# KiCad board jorian.kicad_pcb (continued)
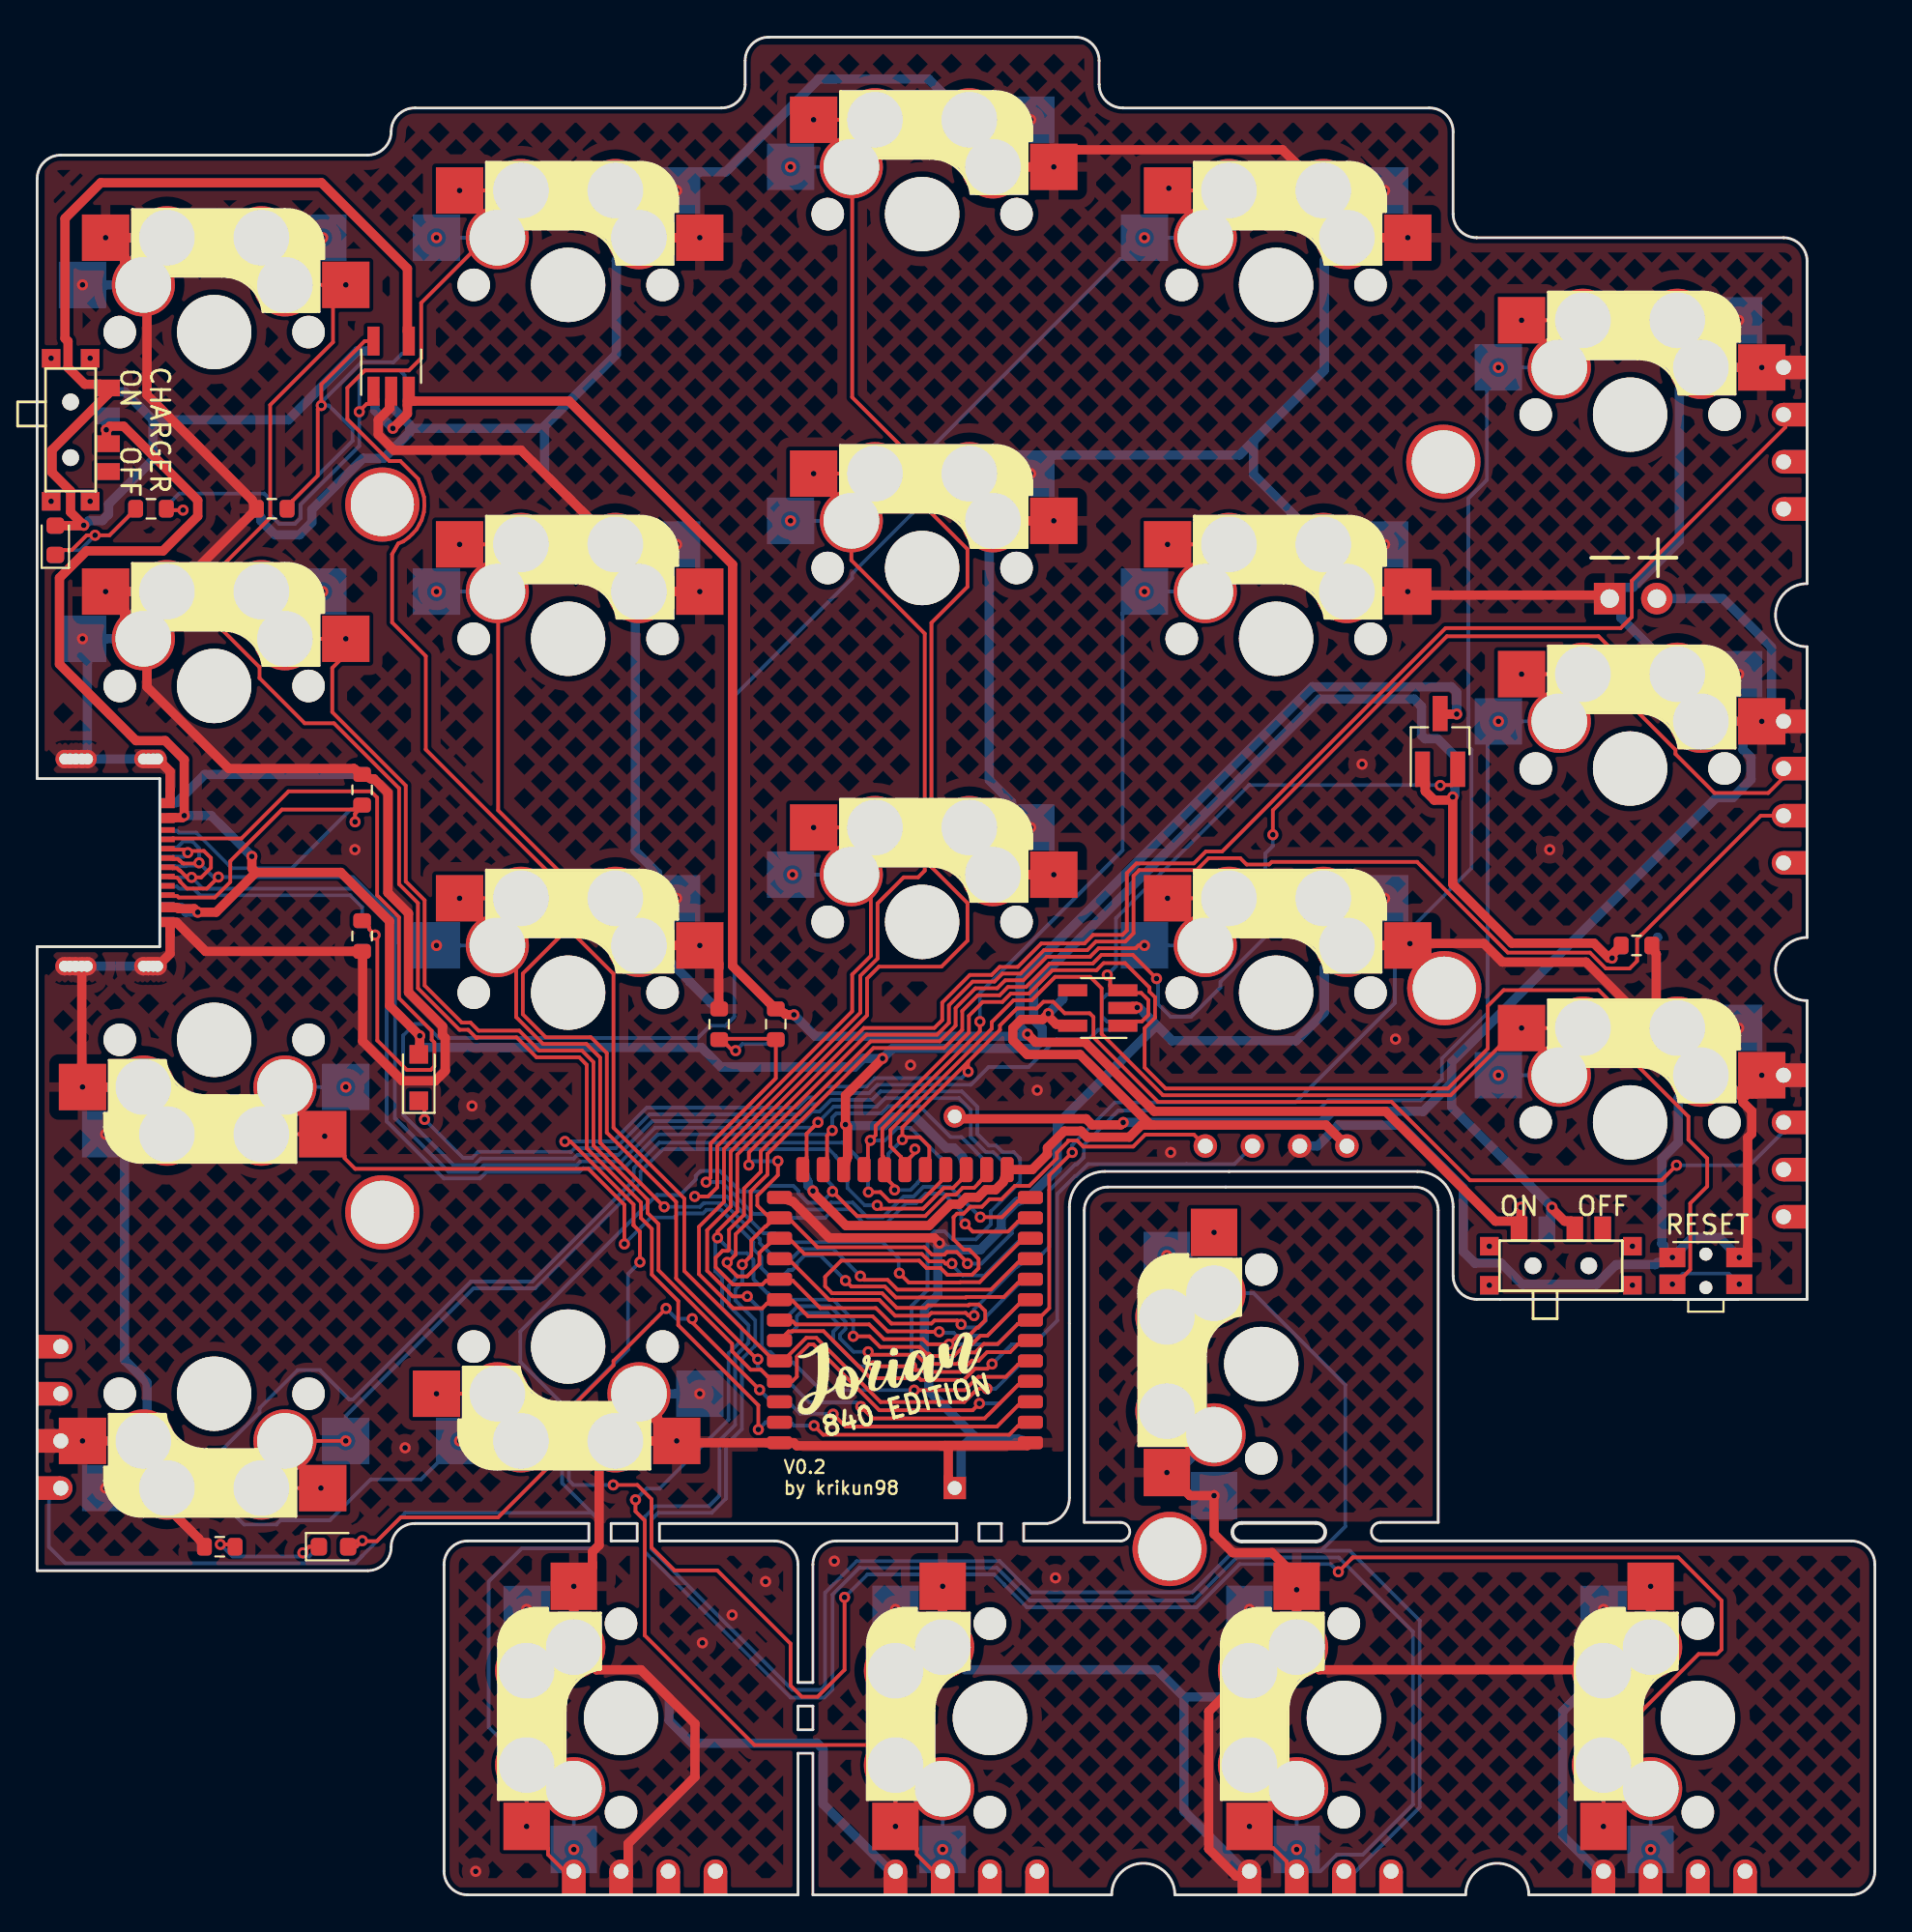
[diagram p0: board, top side]
## Routing (per net, layer and track width the routed paths; a pad name or vN(x,y) marks a point on that pad's centre or on a via; arc(x,y) is an arc through that point) (continued)
  vias: v1(17.1,56.27) v1(19.8,24.07) v1(23.4,42.47) v1(23.6,1.27) v1(35.8,13.57) v1(37.4,15.07) v1(39.2,16.87) v1(42.9,17.97) v1(47,44.67) v1(53.82,43.32) v1(54.8,17.07) v1(61,39.97) v1(71.3,60.87) v1(73.1,46.07) v1(81.4,56.27)
VBAT: length 79.1
  Top w0.5: v1(81.52,37.02) 81.52,36.94 82.2,36.27 82.55,36.27 SW23.2 ; v1(58.45,41.58) 58.31,41.45 56.78,41.45 56.45,41.78 49.51,41.78 BT1.1
  Bottom w0.5: J2.2 90.72,69.78 93.33,67.16 93.33,64.13 93.17,63.97 92.3,63.97 91.8,63.47 91.8,61.65 92.23,61.22 92.23,60.04 91.25,59.07 90.37,59.07 76.12,44.82 76.12,43.71 ; SW23.2 81.45,36.27 81.45,36.95 v1(81.52,37.02) 76.12,42.41 76.12,43.71 ; 76.12,43.71 74.59,42.18 69.71,42.18 69.11,41.58 v1(58.45,41.58)
VBAT2: length 135.8
  Top w0.5: v1(19.14,78.94) 19.93,79.73 19.93,80.41 U2.3 20.08,80.41 28.62,80.41 37.43,71.61 37.43,49.99 39.37,48.05 R5.1 40.22,47.45 40.3,47.37 v1(40.73,47.37) ; Q1.3 75.65,63.56 v1(76.39,63.56) ; v1(79.85,37.02) 79.85,36.27 SW23.1 79.55,36.27 78.48,36.27 72.57,42.18 60.11,42.18 56.39,45.9 53.73,45.9 v1(53.29,46.33)
  Bottom w0.5: v1(79.85,37.02) 79.85,36.27 SW23.1 ; R5.1 40.22,47.45 40.3,47.37 v1(40.73,47.37) 41.88,46.22 53.18,46.22 v1(53.29,46.33) 52.89,46.74 52.89,49.29 68.63,65.03 76.1,65.03 76.39,64.74 v1(76.39,63.56) 75.65,63.56 Q1.3 ; v1(19.14,78.94) 18.18,79.91 18.18,80.41 U2.3
VBUS: length 172.5
  Top w0.5: 11.77,55.04 16.34,55.04 18.96,52.41 18.96,47.87 v1(20.59,46.24) 20.59,45.49 D2.2 ; 11.77,55.04 9.63,52.9 v1(8.64,52.9) 8.45,53.09 7.64,53.09 7.6,53.12 7.53,53.12 7.5,53.15 7.15,53.15 J1.A4 ; 11.77,55.04 11.55,55.26 v1(11.55,55.9) ; U1.22 43.61,39.71 43.61,41.36 v1(43.5,41.47) 43.5,43.03 v1(45.5,45.03) ; Q1.1 74.7,59.89 74.7,59.41 75.18,58.93 76.01,58.93 v1(76.18,59.1) 76.18,54.41 79.35,51.23 83.77,51.23 84.58,50.42 v1(84.76,50.42) 84.76,50.62 R7.1 ; J1.A4 7.15,57.99 7.81,57.99 v1(7.92,58.09) 7.92,61.11 6.89,62.13 5.32,62.13 1.2,66.25 1.2,70.89 2.66,72.35 6.77,72.35 8.64,74.21 8.64,75.07 4.65,79.06 3.91,79.06 v1(3.72,78.86) 3.72,78.32 SW24.2
  Bottom w0.5: v1(20.59,46.24) 20.59,45.49 D2.2 20.91,45.62 35.75,45.62 36.8,44.57 44,44.57 44.46,45.03 v1(45.5,45.03) 46.03,45.56 53.63,45.56 54.08,46.01 54.08,46.66 53.63,47.11 53.63,48.98 69.02,64.37 74.09,64.37 74.5,63.97 74.5,62.42 74.69,62.23 75.36,62.23 76.3,61.29 76.45,60.59 76.3,59.89 76.3,59.22 v1(76.18,59.1) ; v1(43.5,41.47) 43.56,41.4 45.59,41.4 46.06,41.87 47.25,41.87 48.91,40.21 49.33,40.21 49.79,39.75 49.79,39.71 50,39.04 ; J1.A4 7.15,58 7.82,58 v1(7.92,58.09) 9.36,58.09 v1(11.55,55.9) ; R7.1 84.76,50.62 v1(84.76,50.42) ; SW24.2 3.72,79.42 v1(3.72,78.86) ; v1(8.64,52.9) 8.01,52.9 7.75,53.16 7.15,53.16 J1.A4
VBUS_C: length 72.7
  Top w0.5: U2.4 19.93,84.17 19.93,87.54 15.3,92.17 3.42,92.17 1.5,90.24 1.5,83.78 1.66,83.62 1.66,82.21 2.56,81.32 3.4,81.32 SW24.1 3.8,80.78 0.8,77.78 0.8,76.56 1.8,75.57 1.8,74.43 v1(2.51,73.72) 2.49,73.71 D1.2
  Bottom w0.5: 6.23,79.4 6.23,77.25 3.84,74.86 3.84,74.31 3.5,73.98 2.79,73.98 2.51,73.7 D1.2 ; 6.23,79.4 13.52,79.4 17.23,83.11 18.02,83.11 U2.4 ; 6.23,79.4 4.72,80.92 4.2,80.92 SW24.1
(no net):
  vias: v1(0.75,82.72) v1(0.75,75.02) v1(2.85,82.72) v1(2.85,75.02) v1(78.15,34.92) v1(78.15,32.82) v1(85.85,34.92) v1(85.85,32.82)
BATTERY_PIN: length 37.6
  Top w0.2: v1(36,38.37) 36.24,38.61 36.24,40.45 39.75,43.96 R5.2 39.37,46.08 37.08,46.08 R6.1 37.14,45.73 37.43,45.44 v1(37.59,45.44) ; 53.45,36.44 52.78,36.23 52.77,36.23 52.24,35.7 50.35,35.7 v1(49.94,36.12)
  Bottom w0.2: v1(36,38.37) 36.84,38.37 38.55,36.65 39.28,36.65 39.95,36.44 42.39,36.44 42.86,36.91 43.73,36.91 44.52,36.12 45.66,36.12 46.77,37.23 47.31,37.23 47.83,37.75 48.78,37.75 49.73,36.79 49.73,36.32 v1(49.94,36.12) ; R5.2 39.28,45.8 37.95,45.8 v1(37.59,45.44) 37.43,45.44 37.14,45.73 R6.1
BLUE_LED: length 48.3
  Top w0.2: v1(17.5,19.07) 17.18,18.74 D3.2 17.17,19.04 18.28,19.04 19.56,20.32 24.81,20.32 28.08,23.59 28.08,25.56 31.02,28.5 31.02,28.73 v1(33.85,31.57) ; v1(35.25,31.02) 35.25,30.81 v1(38.88,27.19) ; v1(42.83,25.88) 43.5,25.21 51.65,25.21 52.77,26.33 52.78,26.33 U1.3
  Bottom w0.2: v1(33.85,31.57) 34.39,31.02 v1(35.25,31.02) ; D3.2 17.18,18.74 v1(17.5,19.07) ; v1(38.88,27.19) 39.53,26.54 U1.3 40.62,26.33 40.63,26.33 41.06,25.9 42.81,25.9 v1(42.83,25.88)
CC1: length 51.6
  Top w0.2: R2.1 17.87,52.07 17.87,51.98 v1(18.19,51.67) 18.3,51.55 18.3,45.99 19.9,44.4 21.18,44.4 21.38,44.6 21.38,45.88 21.23,46.03 21.23,46.51 19.47,48.26 19.47,52.62 18.3,53.8 18.3,59.07 17.96,59.4 13.53,59.4 10.99,56.87 7.3,56.87 J1.A5
  Bottom w0.2: v1(18.19,51.67) 17.87,51.98 17.87,52.07 R2.1 17.49,53.17 16.85,53.81 8.77,53.81 8.41,54.17 7.64,54.17 7.53,54.28 7.3,54.28 J1.A5
CC2: length 28
  Top w0.2: J1.B5 7.3,53.77 7.54,53.77 7.61,53.69 9.56,53.69 10.39,54.52 10.39,55.65 13.17,58.42 17.02,58.42 17.49,58.66 17.17,58.27 17.11,58.2 v1(17.11,57.76)
  Bottom w0.2: J1.B5 7.3,57.28 7.52,57.28 7.62,57.18 8.55,57.18 10.47,55.26 13.7,55.26 16.87,58.42 17.02,58.42 17.49,58.66 17.17,58.27 17.11,58.2 v1(17.11,57.76)
DATA+: length 73.4
  Top w0.2: v1(42.02,41.58) 41.41,40.97 41.41,39.71 U1.24 ; J1.A6 7.3,55.77 7.56,55.77 7.66,55.67 7.69,55.67 7.82,55.54 7.84,55.54 7.86,55.52 8.67,55.52 v1(8.71,55.55) ; v1(9.75,54.79) 9.13,54.17 8.06,54.17 7.69,54.54 7.69,54.59 7.52,54.76 7.41,54.76 7.4,54.77 7.3,54.77 J1.B6
  Bottom w0.2: J1.B6 7.3,56.38 7.53,56.38 7.86,56.7 8.36,56.7 8.71,56.35 v1(8.71,55.55) ; v1(8.71,55.55) 8.57,55.41 8.05,55.41 8.01,55.38 7.3,55.38 J1.A6 ; v1(8.71,55.55) 9.48,54.79 v1(9.75,54.79) 17,54.79 19.27,52.52 19.27,51.22 19.26,51.21 19.26,41.81 22.14,38.92 23.68,38.92 24.03,39.28 29.03,39.28 29.23,39.48 31.44,39.48 33.26,41.3 41.73,41.3 v1(42.02,41.58) 42.87,42.43 45.18,42.43 45.63,42.89 49.61,42.89 50.24,42.26 50.24,40.8 51.07,39.97 51.45,39.97 52.2,39.23 U1.24
DATA-: length 70.1
  Top w0.2: 42.3,39.04 42.51,39.71 42.51,40.87 v1(42.79,41.14) ; J1.A7 7.3,55.27 7.52,55.27 7.64,55.15 7.68,55.15 8.06,54.77 v1(8.31,54.77) 8.83,54.77 9.35,55.29 9.35,55.82 8.98,56.19 8.2,56.19 v1(8.11,56.1) 7.94,56.27 7.3,56.27 J1.B7
  Bottom w0.2: U1.23 50.83,39.68 50.52,40 50.52,40.02 49.74,40.8 49.16,40.8 47.5,42.46 45.81,42.46 45.43,42.07 43.02,42.07 42.79,41.84 v1(42.79,41.14) 42.58,40.94 33.4,40.94 31.59,39.12 29.38,39.12 29.18,38.92 24.18,38.92 23.83,38.57 21.87,38.57 18.82,41.62 18.82,51.39 18.83,51.4 18.83,52.34 17,54.17 8.92,54.17 v1(8.31,54.77) 8.31,54.78 7.3,54.78 J1.B7 ; J1.A7 7.3,55.88 7.88,55.88 v1(8.11,56.1)
nRF_VDD: length 50.3
  Top w0.5: 60.08,41.44 59.42,41.44 58.77,40.79 56.5,40.79 56.18,41.11 55.27,41.11 54.37,40.21 54.37,39.86 53.55,39.04 U1.14 51.99,38.37 51.58,37.96 51.04,37.96 50.63,37.55 50.02,37.55 49.64,37.18 49.15,37.18 48,36.03 43.52,36.03 41.75,37.8 v1(41.75,37.89) ; 60.08,41.44 59.92,41.44 56.12,45.24 53.27,45.24 52.5,46 52.5,46.66 52.97,47.12 54.1,47.12 v1(54.42,47.44) 54.42,47.29 54.84,46.87 55.2,46.87 55.73,46.79 ; 60.08,41.44 69.36,41.44 JP16.1
  Bottom w0.5: U3.5 55.2,48.62 55.2,48.21 v1(54.42,47.44) ; v1(41.75,37.89) 41.75,37.91 41.48,38.18 41.48,38.39 41.47,38.4 U1.14
PROG: length 15.9
  Top w0.2: U1.13 52.78,37.33 52.77,37.33 51.92,36.48 v1(50.75,36.48)
  Bottom w0.2: v1(50.75,36.48) 49.13,38.11 47.68,38.11 47.16,37.59 46.62,37.59 45.51,36.48 44.67,36.48 43.88,37.27 42.71,37.27 42.34,36.89 41.06,36.89 40.62,37.33 U1.13
R1C1: length 160.9
  Top w0.2: v1(43.92,30.07) 44.79,30.07 45.37,29.49 47.49,29.49 47.86,29.13 48.01,29.13 48.13,29.01 49.33,29.01 49.96,29.64 50.3,29.64 50.76,30.1 51.13,30.1 52.81,31.77 U1.8 ; v1(46.19,3.68) SW19.1 45.11,8.07 38.6,8.07 32.7,13.97 32.7,20.15 32.2,20.65 v1(32.2,21.27) ; v1(46.19,3.68) 47.34,2.51 47.34,2.17 48.2,1.31 48.2,1.27 48.73,0.64 ; v1(46.19,3.68) 47.34,4.86 47.87,4.86 SW19.1 ; E5.2 94.08,79.15 94.08,79 85.82,70.74 85.82,68.79 85.22,68.19 75.8,68.19 63.77,56.17 62.89,56.17 62.25,55.52 59.16,55.52 58.64,55 58.64,51.91 58.4,51.67 56.82,51.67 56.36,51.21 54.03,51.21 52.77,49.95 51.8,49.95 51.37,49.52 50.19,49.52 48.7,48.03 48.7,47.09 48.28,46.67 44.49,46.67 37.68,39.85 37.68,36.78 36.61,35.72 v1(36.61,35.37)
  Bottom w0.2: SW19.1 v1(48.73,2.44) 48.76,2.05 48.76,1.17 48.73,0.64 ; v1(43.92,30.07) 43.92,30.95 42.82,32.04 U1.8 39.35,32.36 39.33,32.38 39.3,32.38 38.55,33.13 38.55,34.18 38.2,34.54 37.44,34.54 v1(36.61,35.37) 36.5,35.25 36.5,33.56 36.86,33.2 36.86,31.58 37.92,30.52 37.92,29.86 37.2,29.15 37.2,25.58 33.49,21.87 32.8,21.87 v1(32.2,21.27)
R1C2: length 94.7
  Top w0.2: SW5.1 81.06,83.08 81.06,83.61 v1(79.88,84.76) SW5.1 ; v1(55.7,39.96) 54.47,38.73 54.47,31.58 54.09,31.21 53.45,30.94 52.78,30.73 52.77,30.73 51.7,29.66 50.94,29.66 50.48,29.2 50.13,29.2 49.51,28.58 47.94,28.58 47.83,28.69 47.7,28.69 47.32,29.07 44.88,29.07 v1(44.72,29.23)
  Bottom w0.2: SW5.1 v1(78.64,82.22) 78.02,81.07 78.02,76.17 77.02,75.18 77.02,63.83 77.03,63.82 77.03,63.3 77.02,63.29 77.02,61.81 77.19,61.65 77.19,55.27 74.05,52.14 73.77,52.14 73.07,51.44 73.07,48.02 67.71,42.66 58,42.66 55.7,40.36 v1(55.7,39.96) ; 39.95,30.94 40.18,30.94 40.92,31.68 42.68,31.68 43.5,30.86 43.5,30.47 43.2,30.17 43.2,29.97 43.93,29.23 v1(44.72,29.23)
R1C3: length 155.6
  Top w0.2: SW4.1 SW4.1 ; U1.6 52.78,29.63 52.77,29.63 52.36,29.22 51.12,29.22 50.67,28.76 50.3,28.76 49.69,28.15 47.74,28.15 47.65,28.25 47.27,28.25 v1(47.06,28.45) 45.02,28.45 v1(45,28.47) ; SW4.1 62.01,90.06 62.01,90.6 SW4.1 ; SW4.1 60.83,91.8 v1(60.9,91.87)
  Bottom w0.2: SW4.1 v1(59.59,89.21) 58.41,88.06 58.27,88.06 47.13,76.91 47.13,74.39 43.86,71.13 43.86,70.88 37.52,64.54 37.52,47.27 37.03,46.78 36.21,46.78 35.56,46.12 21.61,46.12 20.85,46.88 20.32,46.88 19.7,46.26 19.7,41.99 22.4,39.28 23.53,39.28 23.88,39.64 28.88,39.64 29.08,39.84 31.29,39.84 33.11,41.66 41.19,41.66 41.7,42.17 42.09,42.17 42.72,42.79 44.92,42.79 45.38,43.25 49.76,43.25 50.6,42.41 50.6,40.95 51.21,40.33 51.6,40.33 51.96,39.97 52.55,39.97 52.89,39.64 52.89,38.36 51.31,36.78 51.31,36.08 50.51,35.28 49.27,35.28 48.83,35.73 48.3,35.73 47.91,35.34 47.91,32.55 47.06,31.7 v1(47.06,28.45) ; U1.6 40.14,29.84 40.88,30.59 40.88,31.14 41.06,31.32 42.53,31.32 43.14,30.71 43.14,30.61 42.84,30.31 42.84,29.82 44.2,28.45 44.98,28.45 v1(45,28.47)
R1C4: length 103.1
  Top w0.2: SW3.1 v1(41.78,95.56) 42.96,94.41 42.96,93.87 SW3.1 43.86,92.97 43.86,80.62 47.13,77.35 47.13,75.38 50.07,72.44 50.07,70.41 48.12,68.47 48.12,55.33 50.07,53.39 50.07,51.36 48.67,49.97 45.3,49.97 44.66,49.32 44.66,47.34 37.32,40 37.32,37.04 36.06,35.78 36.06,33.6 37.44,32.22 v1(38.22,32.22) ; 53.45,28.74 52.78,28.53 52.77,28.53 52.13,27.88 50.64,27.88 49.92,27.17 v1(47.2,27.17)
  Bottom w0.2: v1(40.54,93.02) SW3.1 ; v1(38.22,32.22) 39,31.43 39,29.5 39.27,29.23 39.46,29.23 39.95,28.74 40.53,28.67 40.67,28.67 42.16,27.17 v1(47.2,27.17)
R1C5: length 106.2
  Top w0.2: v1(44.33,26.29) 44.97,25.65 50.99,25.65 52.77,27.43 52.78,27.43 U1.4 ; v1(38.78,28.83) 38.73,28.83 34.39,33.18 34.39,37.3 30.66,41.03 30.66,45.31 29.8,46.17 27.37,46.17 26.13,47.4 26.13,49.59 28.08,51.53 28.08,54.49 20.92,61.65 20.92,66.68 19.1,68.5 19.1,72.17 19.43,72.75 19.7,72.86 19.99,73.07 20.18,73.25 20.42,73.51 20.58,73.8 20.69,74.01 20.81,74.43 20.84,74.79 20.82,75.25 20.69,75.65 20.51,76.21 19.54,77.18 18.95,77.18 16.69,79.44 16.69,81.12 17.63,82.06 20.01,82.06 20.67,82.72 20.67,85.69 24.18,89.21 SW2.1 23.91,90.06 23.91,90.6 v1(22.73,91.75) SW2.1
  Bottom w0.2: v1(44.33,26.29) 44.1,26.52 41.54,26.52 40.63,27.43 40.62,27.43 U1.4 39.31,27.91 38.78,28.43 v1(38.78,28.83) ; SW2.1 v1(21.49,89.21)
R1C6: length 105.3
  Top w0.2: 53.45,25.44 52.78,25.23 52.77,25.23 52.31,24.77 42.3,24.77 v1(41.81,25.26) ; SW1.2 v1(16.61,86.67) 15.92,85.52 15.92,83.58 12.54,80.2 12.54,74.13 10.02,71.61 10.02,68.03 11.97,66.09 11.97,65.5 14.4,63.07 15.98,63.07 19.48,59.56 19.48,54.41 20.49,53.39 20.49,48.8 22.73,46.57 23.2,46.57 23.65,46.12 23.7,46.16 25.8,46.16 26.87,45.09 29.17,45.09 29.58,44.68 29.58,40.19 32.5,37.27 32.5,36.43 33.08,35.85 33.08,33.39 34.5,31.97 34.5,30.67 38.81,26.35 v1(38.81,25.05)
  Bottom w0.2: SW1.2 v1(15.37,89.21) 14.19,88.06 14.19,87.96 13.34,87.1 SW1.2 ; v1(41.81,25.26) 40.73,25.26 40.63,25.37 40.53,25.37 39.95,25.44 39.2,25.44 v1(38.81,25.05)
R2C0: length 214.5
  Top w0.2: E10.3 92.75,58.09 86.33,51.67 86.3,51.67 86.1,51.47 86.1,50.27 85.7,49.87 84.42,49.87 83.56,50.72 79.14,50.72 74.26,55.6 66.44,55.6 66.3,55.47 65.09,55.47 64.75,55.81 63.04,55.81 62.4,55.17 59.31,55.17 59,54.86 59,51.77 58.55,51.31 56.97,51.31 56.51,50.85 54.18,50.85 52.92,49.59 51.95,49.59 51.52,49.16 50.34,49.16 49.06,47.88 49.06,46.94 48.43,46.31 44.64,46.31 38.3,39.97 v1(38.3,39.28) ; v1(37.94,33.93) 38.43,34.42 38.43,35.22 39.18,35.98 39.21,35.98 39.35,36.12 39.95,36.44 ; v1(39.86,39.5) 39.86,38.74 38.76,37.64 38.76,37.11 39.43,36.44 39.95,36.44 ; v1(50.06,33.98) 50.06,34.03 49.48,34.61 48.97,34.61 48.82,34.46 48.16,34.46 47.76,34.86 42,34.86 40.63,36.23 40.62,36.23 39.95,36.44
  Bottom w0.2: 53.45,36.44 52.81,36.17 52.45,35.82 52.45,35.61 50.82,33.98 v1(50.06,33.98) ; E20.3 74.4,4.72 74.4,14.77 70.64,18.52 68.89,18.52 ; v1(38.3,39.28) 38.51,39.5 v1(39.86,39.5) ; 68.89,18.52 64.41,18.52 62.17,16.28 53.48,16.28 51.8,17.97 44.1,17.97 42.4,16.27 42.4,11.27 42.17,11.03 40.64,11.03 33.06,18.61 33.06,20.2 33.42,20.57 36.3,20.57 37.07,21.34 37.07,24.22 37.92,25.07 37.92,28.85 38.64,29.57 38.64,30.92 37.58,31.99 37.58,32.59 37.94,32.96 v1(37.94,33.93) ; 68.89,18.52 69.09,18.52 70.4,19.83 70.4,27.44 65.46,32.39 SW22.2 62.07,31.12 SW22.2 v1(60.79,34.42) 62.09,34.42 v1(63.34,35.66)
R2C1: length 213.4
  Top w0.2: v1(49.22,33.98) 48.88,33.98 48.76,34.1 48.01,34.1 47.61,34.5 41.29,34.5 40.53,35.27 U1.27 39.35,35.02 39.21,34.88 39.18,34.88 38.87,34.56 38.87,33.95 38.21,33.29 37.68,33.29 37.14,33.83 v1(37.14,34.04) 37.17,34.04 37.59,34.47 37.59,35.57 38.4,36.37 38.4,37.87 39.3,38.78 39.3,39.89 45,45.59 48.8,45.59 49.78,46.57 49.78,47.58 50.62,48.42 51.8,48.42 52.24,48.87 53.22,48.87 54.48,50.13 56.81,50.13 57.27,50.6 58.97,50.6 v1(60.24,49.32) ; E20.2 67.25,1.27 67.25,1.79 66.53,2.51 66.39,2.51 v1(65.24,3.68) 66.39,4.86 66.92,4.86 67.78,5.72 ; E10.2 93.98,60.1 93.94,60.1 93.16,59.31 90.26,59.31 88.17,61.41 88.17,61.64 85.23,64.58 85.23,66.56 84.03,67.75 75.86,67.75 66.5,58.39 v1(66.5,57.07)
  Bottom w0.2: E20.2 69.05,1.27 69.95,2.17 71.34,2.17 74.04,4.86 74.04,14.17 70.04,18.16 64.56,18.16 62.24,15.84 53.42,15.84 51.65,17.61 44.25,17.61 42.8,16.16 42.8,11.07 42.36,10.62 40.54,10.62 32.7,18.47 32.7,20.35 33.27,20.92 36.15,20.92 36.72,21.49 36.72,24.45 36.71,24.45 37.56,25.3 37.56,29 38.28,29.71 38.28,30.67 37.22,31.73 37.22,32.78 37.58,33.15 37.58,33.37 37.14,33.81 v1(37.14,34.04) ; v1(66.5,57.07) 66.5,56.47 66.1,56.07 66.1,51.57 63.68,49.15 63.68,48.84 62.1,47.27 61,47.27 60.32,47.94 60.32,49.24 v1(60.24,49.32) ; v1(49.22,33.98) 49.22,33.91 49.8,33.34 50.98,33.34 52.77,35.13 52.78,35.13 U1.27 ; SW20.1 66.51,5.72 67.78,5.72 v1(67.78,2.44) 67.81,2.05 67.81,1.17 E20.2
R2C2: length 74.9
  Top w0.2: 39.95,34.24 40.62,34.03 40.63,34.03 42.63,32.03 45.32,32.03 46.17,31.17 47.97,31.17 48.12,31.33 49.97,31.33 50.12,31.18 v1(50.42,31.18) ; SW10.1 81.06,64.03 81.06,64.56 v1(79.88,65.71) SW10.1
  Bottom w0.2: SW10.1 v1(78.64,63.17) 78.07,62.02 78.07,47.48 75.6,45.02 75.6,43.91 74.46,42.77 69.47,42.77 68.92,42.22 58.18,42.22 56.33,40.36 56.33,39.71 55.95,39.33 55.87,39.33 54.47,37.92 54.47,34.88 54.09,34.51 53.45,34.24 52.85,33.92 52.75,33.82 52.72,33.82 50.42,31.51 v1(50.42,31.18)
R2C3: length 50.5
  Top w0.2: SW9.1 v1(60.83,72.7) 62.01,71.55 62.01,71.01 SW9.1 ; v1(46.14,37.94) 46.14,38.13 45.87,38.4 U1.20 45.52,39.62 45.52,39.75 45.48,39.8 45.48,41.24 50.73,46.5 v1(50.73,47.01)
  Bottom w0.2: SW9.1 v1(59.59,70.16) 58.41,69.01 58.41,56.23 50.73,48.54 v1(50.73,47.01) ; 47.8,39.04 47.48,38.44 47.38,38.34 47.38,38.31 47.01,37.94 v1(46.14,37.94)
R2C4: length 77.9
  Top w0.2: SW8.1 v1(41.78,76.51) 42.96,75.36 42.96,74.82 SW8.1 43.82,71.84 47.77,67.89 47.77,55.13 47.41,54.77 46.63,54.77 45.23,53.37 45.23,50.4 44.3,49.47 44.3,47.49 36.96,40.15 36.96,37.31 35.62,35.96 35.62,33.41 37.45,31.58 39.02,31.58 39.27,31.83 39.28,31.83 U1.30 40.53,31.97 40.67,31.97 41.49,31.15 44.96,31.15 45.77,30.33 47.84,30.33 47.87,30.31 v1(48.54,30.31)
  Bottom w0.2: v1(40.54,73.97) SW8.1 ; U1.30 52.81,31.77 51.14,30.1 49.47,30.1 49.33,30.25 48.6,30.25 v1(48.54,30.31)
R2C5: length 74.1
  Top w0.2: SW7.1 v1(22.73,72.7) 23.91,71.55 23.91,71.01 SW7.1 24.81,70.11 24.81,58.38 28.52,54.67 28.52,52.08 31.02,49.58 31.02,41.3 34.83,37.48 34.83,33.58 39.67,28.74 40.14,28.74 41.39,29.99 41.93,29.99 45.39,26.53 49.89,26.53 50.61,27.25 v1(51.11,27.25)
  Bottom w0.2: 53.45,28.74 52.81,28.47 51.58,27.25 v1(51.11,27.25) ; v1(21.49,70.16) SW7.1
R2C6: length 80.6
  Top w0.2: SW6.2 v1(16.61,67.62) 16.61,66.78 15.88,66.04 15.88,63.67 19.84,59.71 19.84,54.55 20.85,53.54 20.85,48.95 22.85,46.95 23.32,46.95 23.75,46.52 25.95,46.52 27.02,45.45 29.32,45.45 29.94,44.83 29.94,40.34 32.85,37.42 32.85,36.7 33.44,36.11 33.44,33.62 37.4,29.66 37.4,29.26 38.4,28.27 38.95,28.27 39.31,27.91 U1.34 40.63,27.64 40.88,27.89 40.88,28.98 41.54,29.63 41.78,29.63 45.32,26.09 50.34,26.09 v1(50.71,26.45)
  Bottom w0.2: SW6.2 13.34,68.05 14.19,68.91 14.19,69.01 v1(15.37,70.16) SW6.2 ; v1(50.71,26.45) 51.79,26.45 52.77,27.43 52.78,27.43 U1.34
R3C1: length 209.2
  Top w0.2: 86.83,5.72 85.97,4.86 85.44,4.86 v1(84.29,3.68) 84.29,7.84 89.42,12.97 90.4,12.97 90.64,13.21 90.64,15.84 88.32,18.17 70.8,18.17 ; 50.11,44.86 46.56,41.31 v1(46.56,40.65) 46.69,40.78 47.5,40.78 48.01,40.28 48.01,39.71 47.8,39.04 ; 50.11,44.86 51.81,46.56 51.81,46.8 52.72,47.71 53.79,47.71 54.15,48.07 54.68,48.07 55.3,47.46 56.65,47.46 56.85,47.26 56.85,46.16 60.32,42.68 72.89,42.68 77.11,38.47 87.41,38.47 v1(88.22,39.27) ; 50.11,44.86 50.1,44.85 v1(50.1,44.32) ; v1(31,22.07) 32.3,22.07 33.06,21.31 33.06,18.71 34.3,17.47 36.6,17.47 40.55,13.52 40.55,11.26 41.14,10.67 42,10.67 43.45,12.12 v1(43.45,16.02) ; 70.8,18.17 v1(70.02,17.39) ; 70.8,18.17 70.7,18.07 ; v1(32.44,34.07) 32.44,35.7 32.09,36.05 32.1,36.06 32.1,37.16 28.7,40.55 v1(28.4,40.55)
  Bottom w0.2: v1(32.44,34.07) 31.8,33.43 31.8,29.35 28.61,26.16 28.61,22.31 28.86,22.07 v1(31,22.07) ; v1(43.45,16.02) 44.68,17.25 51.5,17.25 53.27,15.48 62.39,15.48 64.71,17.8 69.61,17.8 v1(70.02,17.39) ; 86.83,5.72 v1(86.83,2.44) E21.2 ; E15.2 93.98,41.05 93.94,41.05 92.17,39.27 v1(88.22,39.27) ; v1(28.4,40.55) 30.99,40.55 32.81,42.37 40.89,42.37 41.44,42.92 41.84,42.92 42.42,43.51 44.63,43.51 45.08,43.97 49.75,43.97 v1(50.1,44.32) ; U1.18 45.81,39.71 45.81,39.9 v1(46.56,40.65)
R3C2: length 58
  Top w0.2: SW15.1 81.06,44.98 81.06,45.51 v1(79.88,46.66) ; SW15.1 v1(79.88,46.66) ; v1(79.88,46.66) 78.71,45.68 76.07,43.04 60.58,43.04 57.29,46.34 57.29,48.8 56.67,49.42 54.78,49.42 53.52,48.15 52.54,48.15 51.37,46.99 51.37,46.63 45.92,41.17 45.92,40.29 46.49,39.72 46.49,39.71 U1.19 46.97,39.68 47.23,39.95 v1(47.23,40.14)
  Bottom w0.2: SW15.1 v1(78.64,44.12) ; v1(47.23,40.14) 47.23,39.95 46.97,39.68 U1.19
R3C3: length 62.9
  Top w0.2: SW14.1 62.01,51.96 62.01,52.5 v1(60.83,53.65) SW14.1 ; v1(49.72,30.71) 49.52,30.92 48.29,30.92 48.13,30.75 45.97,30.75 45.14,31.59 42.15,31.59 40.67,33.07 40.53,33.07 U1.29 39.37,33.07 39.23,33.07 39.02,32.85 37.44,32.85 36.51,33.79 36.51,34.3 36.88,34.67 37.17,34.67 37.23,34.73 37.23,35.8 38.04,36.6 38.04,38.02 38.94,38.92 38.94,40.03 44.85,45.95 48.58,45.95 49.42,46.79 49.42,47.73 50.49,48.8 51.66,48.8 52.09,49.23 53.07,49.23 54.33,50.49 56.66,50.49 57.12,50.95 59.11,50.95 59.27,51.11 v1(59.59,51.11)
  Bottom w0.2: U1.29 52.81,32.87 51.06,31.12 51.06,30.91 50.68,30.54 49.89,30.54 v1(49.72,30.71) ; v1(59.59,51.11) SW14.1
R3C4: length 53.4
  Top w0.2: SW13.1 v1(41.78,57.46) 42.96,56.31 42.96,55.77 SW13.1 44.87,53.86 44.87,50.55 43.86,49.54 43.86,47.56 36.6,40.3 36.6,38.09 36.11,37.6 v1(35.39,37.6) ; v1(46.4,33.47) 46.9,32.96 49.66,32.96 49.67,32.98 50.72,32.98 52.81,35.07 U1.11
  Bottom w0.2: SW13.1 v1(40.65,54.92) SW13.1 ; v1(35.39,37.6) 37.1,37.6 38.41,36.29 38.42,36.29 39.09,35.62 39.67,35.62 U1.11 40.62,35.13 45.5,35.13 46.36,34.27 46.36,33.51 v1(46.4,33.47)
R3C5: length 52.1
  Top w0.2: 53.45,34.24 52.78,34.03 51.33,32.58 46.29,32.58 45.77,33.1 44.5,33.1 v1(44.3,33.3) ; v1(33.75,37.04) 30.3,40.49 30.3,45.07 29.56,45.81 27.22,45.81 25.78,47.25 25.78,50.09 SW12.1 23.91,51.96 23.91,52.5 v1(22.73,53.65) SW12.1
  Bottom w0.2: v1(44.3,33.3) 42.83,34.77 41.13,34.77 40.53,34.17 39.95,34.24 39.73,34.24 38.9,35.07 38.9,35.29 36.95,37.24 35.87,37.24 35.67,37.04 v1(33.75,37.04) ; v1(21.49,51.11) SW12.1
R3C6: length 56.5
  Top w0.2: SW11.1 SW11.1 ; SW11.1 15.37,40.95 v1(15.47,40.84) 16.54,39.8 16.54,39.65 17.12,39.08 29.67,39.08 31.6,37.15 v1(31.6,35.04) ; SW11.1 14.19,42.1 14.19,42.2 13.34,43.05 SW11.1 ; U1.9 52.78,32.93 52.77,32.93 52.02,32.18 50,32.18 49.98,32.16 46.21,32.16 45.62,32.75 43.82,32.75 v1(43.5,33.07)
  Bottom w0.2: SW11.1 v1(16.61,43.49) ; v1(43.5,33.07) 42.15,34.41 41.28,34.41 40.88,34.02 40.88,33.89 40.63,33.63 40.44,33.63 U1.9 39.31,33.41 38.96,33.75 38.96,34.34 38.54,34.77 38.54,35.14 36.8,36.88 36.02,36.88 35.82,36.68 34.5,36.68 34.29,36.47 33.03,36.47 v1(31.6,35.04)
R4C5: length 78.3
  Top w0.2: v1(21.49,26.98) SW17.2 ; U1.17 48.63,38.4 47.58,37.34 45.86,37.34 45.38,37.83 v1(44.73,37.83)
  Bottom w0.2: v1(22.73,24.44) SW17.2 ; v1(22.73,24.44) 23.91,25.59 23.91,26.12 SW17.2 ; v1(22.73,24.44) 20.66,22.37 17.96,22.37 15.76,20.17 13.11,20.17 12.88,19.94 11.14,19.94 10.02,21.05 10.02,24.02 11.97,25.96 11.97,26.19 14.02,28.25 15.22,28.25 16.8,26.67 16.99,26.67 23.34,33.01 26.65,33.01 32.11,38.48 32.11,39.13 33.47,40.5 43.35,40.5 44.08,39.77 44.08,39.74 44.18,39.64 44.5,39.04 44.71,38.37 44.71,37.85 v1(44.73,37.83)
R4C6: length 53.8
  Top w0.2: v1(16.61,24.44) SW16.1 13.34,24 14.19,23.15 14.19,23.05 SW16.1 v1(15.27,21.9) SW16.1 ; v1(45.21,37.12) 45.39,36.94 47.68,36.94 48.79,38.05 49.29,38.05 49.68,38.44 50,39.04
  Bottom w0.2: v1(16.61,24.44) 16.61,25.78 23.49,32.65 26.8,32.65 32.47,38.33 32.47,38.94 33.67,40.14 42.61,40.14 42.98,39.77 42.98,39.74 43.08,39.64 U1.16 43.61,38.37 43.61,38.05 44.54,37.12 v1(45.21,37.12)
R4C7: length 113.7
  Top w0.2: v1(42.8,37.87) 44.13,36.54 47.79,36.54 48.94,37.69 49.43,37.69 49.8,38.06 50.42,38.06 50.68,38.31 50.68,38.34 50.78,38.44 U1.15 ; v1(26.34,3.68) 27.49,2.51 27.49,2.17 28.35,1.31 28.35,1.27 E18.4 ; v1(26.34,3.68) SW18.1 ; v1(26.34,3.68) 27.49,4.86 28.02,4.86 28.88,5.72
  Bottom w0.2: 30.09,20.33 28.25,22.16 28.25,26.45 26,28.7 26,30.33 33.37,37.7 33.4,37.67 34.6,37.67 35.44,38.51 35.44,38.71 35.7,38.97 36.75,38.97 37.85,37.87 38.99,37.87 39.28,38.16 40.71,38.16 40.96,37.91 40.96,37.78 41.48,37.25 42.19,37.25 v1(42.8,37.87) 42.8,38.16 42.57,38.4 42.3,39.04 ; 30.09,20.33 29.85,20.57 19.81,20.57 17.47,18.23 17.47,18.21 17.11,17.85 1.51,17.85 0.63,18.73 E16.4 ; 30.09,20.33 30.09,18.88 29.86,18.65 26.09,18.65 24.3,16.86 24.3,9.03 SW18.1 ; 28.88,5.72 v1(28.88,2.44) 28.85,2.05 28.85,1.27 E18.4
reset: length 83.7
  Top w0.2: v1(88,32.87) 88.17,32.87 88.96,33.65 88.96,37.22 89.88,38.14 89.88,39.64 88.86,40.65 88.86,41.89 85.23,45.53 85.23,47.51 84.03,48.7 78.92,48.7 78.07,47.85 78.07,45.55 75.92,43.4 60.73,43.4 59.6,44.54 59.6,46.66 60.16,47.22 60.16,48.31 59.86,48.61 59.86,48.84 58.55,50.16 57.39,50.16 57.01,49.77 54.63,49.77 53.37,48.51 52.39,48.51 51.94,48.07 50.89,48.07 50.14,47.32 50.14,46.41 45.12,41.39 45.12,40.89 v1(44.84,40.61) 44.71,40.48 44.71,39.71 44.5,39.04
  Bottom w0.2: v1(88,32.87) 88.57,33.44 91.03,33.44 v1(91.6,32.87) ; U1.21 48.63,39.68 48.61,39.7 48.59,39.7 47,41.29 46.3,41.29 45.62,40.61 v1(44.84,40.61)
SWC: length 56
  Top w0.2: JP16.4 62.25,40.93 59.63,40.93 58.98,40.28 56.29,40.28 55.97,40.6 55.48,40.6 55.48,40.55 54.88,39.95 54.88,39.65 53.39,38.17 52.62,38.17 51.9,37.45 51.25,37.45 50.85,37.04 50.23,37.04 49.86,36.67 49.5,36.67 49.32,36.48 49.32,35.28 49.87,34.73 50.16,34.73 50.66,34.23 50.66,33.73 50.31,33.38 49.51,33.38 49.5,33.37 48.98,33.37 48.62,33.74 47.86,33.74 47.46,34.14 43.28,34.14 42.4,33.27 42.4,32.76 42.78,32.39 45.47,32.39 46.26,31.59 47.81,31.59 47.95,31.74 50.13,31.74 50.17,31.78 50.67,31.78 51.02,31.43 51.02,30.93 50.62,30.54 50.57,30.54 50.11,30.07 49.51,30.07 v1(49.07,29.64) 47.94,29.64 47.67,29.91 45.57,29.91 44.77,30.71 40.83,30.71 40.67,30.87 40.53,30.87 39.95,30.94
  Bottom w0.2: 53.45,30.94 52.78,30.73 52.77,30.73 51.67,29.63 49.08,29.63 v1(49.07,29.64)
SWD: length 35.8
  Top w0.2: v1(51.39,28.58) 51.13,28.32 50.47,28.32 49.87,27.72 47.55,27.72 47.46,27.81 44.86,27.81 42.32,30.35 40.65,30.35 40.63,30.33 40.44,30.33 U1.32
  Bottom w0.2: JP16.3 64.44,39.34 61.86,39.34 56.56,39.34 55.92,38.7 55.87,38.7 54.9,37.73 54.9,30.92 54.09,30.11 U1.32 52.78,29.63 52.44,29.63 v1(51.39,28.58)
Net-(D1-Pad1): length 10.6
  Top w0.2: 5.3,74.62 4.94,74.23 3.89,73.19 v1(3.12,73.19) 2.66,73.19 1.87,72.39 1.45,72.39 D1.1
  Bottom w0.2: D1.1 1.45,72.39 2.32,72.39 v1(3.12,73.19) 3.89,73.19 4.94,74.23 5.3,74.62
Net-(D2-Pad1): length 80.1
  Top w0.2: v1(75.51,59.72) 75.53,59.74 76.15,59.74 76.45,60.59 ; D2.1 20.85,42.34 v1(20.85,41.74) ; 58.43,46.79 59.1,47.02 59.45,47.02 59.8,47.37 59.8,48.17 59.41,48.55 59.1,48.55 U3.1 57.74,48.92 57.74,49.36 v1(57.59,49.52)
  Bottom w0.2: v1(75.51,59.72) 75.49,59.74 74.85,59.74 Q1.2 74.25,59.74 65.22,59.74 58.06,52.58 58.06,49.98 v1(57.59,49.52) 57.74,49.36 57.74,48.92 U3.1 57.74,48.47 57.56,48.47 57.3,48.21 57.3,47.27 57.56,47.02 57.74,47.02 58.43,46.79 57.74,46.57 57.1,46.57 56.6,46.07 54.86,46.07 53.35,44.56 51.19,44.56 50.24,43.61 45.23,43.61 44.78,43.15 42.57,43.15 41.98,42.57 41.59,42.57 41.04,42.01 32.96,42.01 31.14,40.2 28.93,40.2 28.73,40 23.73,40 23.4,39.67 22.92,39.67 v1(20.85,41.74) 20.85,42.34 D2.1
Net-(D3-Pad1): length 8.5
  Top w0.2: D3.1 14.63,18.74 v1(14.3,18.41) ; 10.65,18.74 10.52,18.87 v1(9.86,18.87)
  Bottom w0.2: D3.1 14.63,18.21 10.51,18.21 v1(9.86,18.87) 10.52,18.87 10.65,18.74
Net-(R3-Pad2): length 24.7
  Top w0.2: R3.2 7.25,74.54 v1(7.85,74.54) ; U2.1 17.88,80.26 17.73,80.26 17.33,79.86 v1(17.33,79.84)
  Bottom w0.2: v1(7.85,74.54) 7.25,74.54 R3.2 7.26,75.05 7.64,75.43 12.22,75.43 12.54,75.11 12.54,74.28 13.03,73.8 13.87,73.8 14.18,74.11 14.18,74.83 17.33,77.98 v1(17.33,79.84) 17.33,81.76 17.63,82.06 19.52,82.06 19.77,81.8 19.77,81.62 U2.1
Net-(R4-Pad1): length 25.6
  Top w0.2: U2.5 17.62,83.64 15.29,81.31 v1(15.29,80.17) 15.1,79.98 15.1,76.39 13.76,75.05 R4.1
  Bottom w0.2: U2.5 19.77,82.96 19.63,82.96 19.17,82.5 17.45,82.5 15.29,80.34 v1(15.29,80.17) 15.69,80.17 16.97,78.89 16.97,78.27 13.76,75.05 R4.1

## Copper pours and planes (outline as drawn; the poured copper is in the pictures)
GND on Top, Bottom: 57.4,99.87 57.4,97.87 58.4,96.87 75.4,96.87 76.4,95.87 76.4,90.87 77.4,89.87 95.4,89.87 95.4,31.87 76.4,31.87 76.4,37.87 74.4,38.87 56.4,38.87 55.4,37.87 55.4,23.87 37.4,23.87 37.4,19.87 19.4,19.87 19.4,16.87 0.4,16.87 -0.6,17.87 -0.6,92.87 0.4,93.87 17.4,93.87 20.4,96.87 36.4,96.87 37.4,97.87 37.4,99.87 38.4,100.87 56.4,100.87
GND on Top, Bottom: 75.4,37.47 75.4,20.47 76.4,19.47 99.4,19.47 99.4,-0.53 41.65,-0.53 41.65,19.07 56.4,19.07 56.4,37.47 57.4,38.47 74.4,38.47
GND on Top, Bottom: 40.9,-0.13 21.4,-0.13 21.4,18.87 40.9,18.87

## Text on the board
B.Silkscreen: V0.2 / by krikun98 | CHARGER
F.Silkscreen: V0.2 / by krikun98 | CHARGER
